# Altium PCB LKS_Motor_0313.PcbDoc (part 4 of 4) (continued)
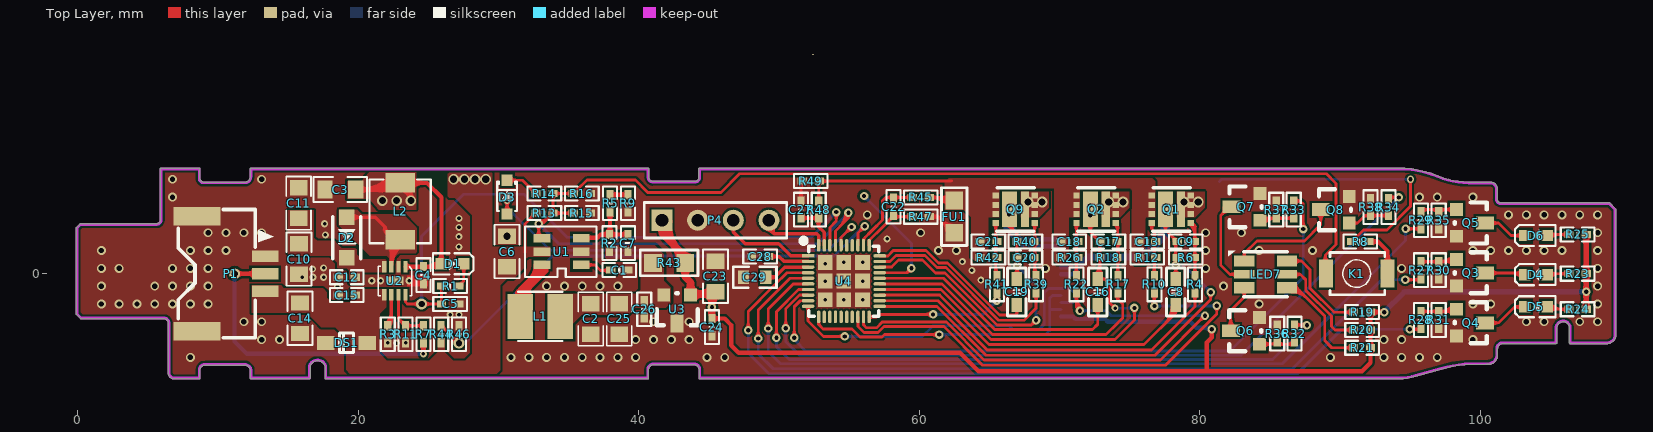
[diagram p0: Top Layer view]
## Nets (pads, with @x,y where several pads share a name; then routed paths per layer and width w, separated by ;. In a path a pad name is that pad's centre, name@x,y a point inside that pad or via, vN(x,y) a via of type N, cw(c..) or ccw(c..) an arc to the next point about the centre after c; other vN are vias at no path point) (continued)
  Bottom Layer w0.203: v2(56.058,5.537) 59.436,2.159 v2(59.436,0.381) ; 81.407,6.579 81.559,6.731 v11(95.021,6.731) ; v2@56.058,5.339 cw(c56.058,4.86) 56.396,5.199 ; v2@56.058,5.339 cw(c56.058,4.86) 56.396,5.199 ; v2@56.058,5.339 cw(c56.058,4.86) 56.396,5.199 ; v2@56.058,5.339 cw(c56.058,4.86) 56.396,5.199 ; v2@56.256,5.537 ccw(c56.735,5.537) 56.396,5.199 ; v2@56.256,5.537 ccw(c56.735,5.537) 56.396,5.199 ; v2@56.256,5.537 ccw(c56.735,5.537) 56.396,5.199 ; v2@56.256,5.537 ccw(c56.735,5.537) 56.396,5.199 ; v2@59.296,0.521 ccw(c58.957,0.86) 59.436,0.86 ; v2@59.296,0.521 ccw(c58.957,0.86) 59.436,0.86 ; v2@59.296,0.521 ccw(c58.957,0.86) 59.436,0.86 ; v2@59.296,0.521 ccw(c58.957,0.86) 59.436,0.86 ; 59.436,0.86 ccw(c59.915,0.86) v2@59.576,0.521 ; 59.436,0.86 ccw(c59.915,0.86) v2@59.576,0.521 ; 59.436,0.86 ccw(c59.915,0.86) v2@59.576,0.521 ; 59.436,0.86 ccw(c59.915,0.86) v2@59.576,0.521 ; 94.653,6.731 cw(c94.653,6.363) v11@94.914,6.623 ; 94.653,6.731 ccw(c94.653,7.099) v11@94.914,6.839 ; 94.653,6.731 cw(c94.653,6.363) v11@94.914,6.623 ; 94.653,6.731 ccw(c94.653,7.099) v11@94.914,6.839 ; 94.653,6.731 cw(c94.653,6.363) v11@94.914,6.623 ; 94.653,6.731 ccw(c94.653,7.099) v11@94.914,6.839
  other v4: 67.742,5.105 68.758,5.105 73.508,5.105 74.524,5.105 78.867,5.105 79.883,5.105
  other v9: 26.797,6.731 27.559,6.731 28.321,6.731 29.083,6.731
VIN: C3.2 C4.1 D1.1 L2.2 P2.2 U2.1 | length 74.8
  Top Layer w0.3: C3.2@19.523,5.969 22.305,5.969 22.809,6.473 L2.2@23.158,6.473 ; U2.1@23.356,0.492 25.706,0.492 D1.1@25.921,0.708 25.921,5.448 24.896,6.473 L2.2@23.158,6.473 ; v4(23.749,5.207) 23.708,5.248 23.708,5.923 L2.2@23.158,6.473 ; C3.2@20.083,5.969 ccw(c20.083,9.017) L2.2@22.238,6.862 ; C3.2@20.083,5.969 ccw(c20.083,9.017) L2.2@22.238,6.862 ; C3.2@20.083,5.969 ccw(c20.083,9.017) L2.2@22.238,6.862 ; C3.2@20.083,5.969 ccw(c20.083,9.017) L2.2@22.238,6.862 ; C3.2@20.085,5.712 cw(c20.707,5.09) 20.707,5.969 ; C3.2@20.085,5.712 cw(c20.707,5.09) 20.707,5.969 ; C3.2@20.085,5.712 cw(c20.707,5.09) 20.707,5.969 ; C3.2@20.085,5.712 cw(c20.707,5.09) 20.707,5.969 ; C3.2@20.085,6.277 ccw(c20.83,7.021) 20.83,5.969 ; C3.2@20.085,6.277 ccw(c20.83,7.021) 20.83,5.969 ; C3.2@20.085,6.277 ccw(c20.83,7.021) 20.83,5.969 ; C3.2@20.085,6.277 ccw(c20.83,7.021) 20.83,5.969 ; 20.807,5.969 ccw(c20.807,8.293) L2.2@22.45,6.65 ; 20.807,5.969 ccw(c20.807,8.293) L2.2@22.45,6.65 ; 20.807,5.969 ccw(c20.807,8.293) L2.2@22.45,6.65 ; 20.807,5.969 ccw(c20.807,8.293) L2.2@22.45,6.65 ; 21.531,5.969 ccw(c21.531,7.569) L2.2@22.662,6.438 ; 21.531,5.969 ccw(c21.531,7.569) L2.2@22.662,6.438 ; 21.531,5.969 ccw(c21.531,7.569) L2.2@22.662,6.438 ; 21.531,5.969 ccw(c21.531,7.569) L2.2@22.662,6.438 ; L2.2@23.168,5.953 cw(c22.908,5.196) v4@23.708,5.196 ; L2.2@23.168,5.953 cw(c22.908,5.196) v4@23.708,5.196 ; L2.2@23.168,5.953 cw(c22.908,5.196) v4@23.708,5.196 ; L2.2@23.168,5.953 cw(c22.908,5.196) v4@23.708,5.196 ; L2.2@23.266,6.237 cw(c23.052,5.617) 23.708,5.617 ; L2.2@23.266,6.237 cw(c23.052,5.617) 23.708,5.617 ; L2.2@23.266,6.237 cw(c23.052,5.617) 23.708,5.617 ; L2.2@23.266,6.237 cw(c23.052,5.617) 23.708,5.617 ; v4@23.586,5.37 ccw(c23.291,5.665) 23.708,5.665 ; v4@23.586,5.37 ccw(c23.291,5.665) 23.708,5.665 ; v4@23.586,5.37 ccw(c23.291,5.665) 23.708,5.665 ; v4@23.586,5.37 ccw(c23.291,5.665) 23.708,5.665 ; L2.2@23.708,5.864 ccw(c24.406,5.864) v4@23.912,5.37 ; L2.2@23.708,5.864 ccw(c24.406,5.864) v4@23.912,5.37 ; L2.2@23.708,5.864 ccw(c24.406,5.864) v4@23.912,5.37 ; L2.2@23.708,5.864 ccw(c24.406,5.864) v4@23.912,5.37 ; L2.2@23.736,6.084 cw(c24.675,5.145) 24.675,6.473 ; L2.2@23.736,6.084 cw(c24.675,5.145) 24.675,6.473 ; L2.2@23.736,6.084 cw(c24.675,5.145) 24.675,6.473 ; L2.2@23.736,6.084 cw(c24.675,5.145) 24.675,6.473 ; L2.2@23.736,6.862 ccw(c24.675,7.801) 24.675,6.473 ; L2.2@23.736,6.862 ccw(c24.675,7.801) 24.675,6.473 ; L2.2@23.736,6.862 ccw(c24.675,7.801) 24.675,6.473 ; L2.2@23.736,6.862 ccw(c24.675,7.801) 24.675,6.473 ; 24.348,0.492 ccw(c24.348,0.798) C4.1@24.564,0.582 ; 24.348,0.492 ccw(c24.348,0.798) C4.1@24.564,0.582 ; 24.348,0.492 ccw(c24.348,0.798) C4.1@24.564,0.582 ; 24.348,0.492 ccw(c24.348,0.798) C4.1@24.564,0.582 ; C4.1@24.712,0.582 ccw(c24.928,0.798) 24.928,0.492 ; C4.1@24.712,0.582 ccw(c24.928,0.798) 24.928,0.492 ; C4.1@24.712,0.582 ccw(c24.928,0.798) 24.928,0.492 ; C4.1@24.712,0.582 ccw(c24.928,0.798) 24.928,0.492 ; C4.1@24.797,0.492 ccw(c24.797,1.832) D1.1@25.745,0.885 ; C4.1@24.797,0.492 ccw(c24.797,1.832) D1.1@25.745,0.885 ; C4.1@24.797,0.492 ccw(c24.797,1.832) D1.1@25.745,0.885 ; C4.1@24.797,0.492 ccw(c24.797,1.832) D1.1@25.745,0.885 ; 25.521,0.492 ccw(c25.521,1.108) D1.1@25.957,0.672 ; 25.521,0.492 ccw(c25.521,1.108) D1.1@25.957,0.672 ; 25.521,0.492 ccw(c25.521,1.108) D1.1@25.957,0.672 ; 25.521,0.492 ccw(c25.521,1.108) D1.1@25.957,0.672 ; D1.1@25.745,0.885 ccw(c25.318,1.311) 25.921,1.311 ; D1.1@25.745,0.885 ccw(c25.318,1.311) 25.921,1.311 ; D1.1@25.745,0.885 ccw(c25.318,1.311) 25.921,1.311 ; D1.1@25.745,0.885 ccw(c25.318,1.311) 25.921,1.311 ; 25.921,1.311 ccw(c26.525,1.311) D1.1@26.098,0.885 ; 25.921,1.311 ccw(c26.525,1.311) D1.1@26.098,0.885 ; 25.921,1.311 ccw(c26.525,1.311) D1.1@26.098,0.885 ; 25.921,1.311 ccw(c26.525,1.311) D1.1@26.098,0.885
  other v4: 21.717,5.207 22.733,5.207
VS3: C8.1 C9.1 P3.5 P3.6 Q1.10 R6.2 U4.21 | length 156.8
  Top Layer w0.2: U4.21@57.17,-2.33 61.258,-2.33 64.745,-5.817 76.81,-5.817 80.772,-1.854 v2(80.772,-1.321) ; C8.1@78.28,-0.375 78.28,2.391 77.55,3.12 ; Q1.10@77.345,3.464 cw(c77.16,3.12) 77.55,3.12 ; Q1.10@77.345,3.464 cw(c77.16,3.12) 77.55,3.12 ; Q1.10@77.345,3.464 cw(c77.16,3.12) 77.55,3.12 ; Q1.10@77.345,3.464 cw(c77.16,3.12) 77.55,3.12 ; Q1.10@77.405,4.177 cw(c77.053,3.825) Q1.10@77.55,3.825 ; Q1.10@77.405,4.177 cw(c77.053,3.825) Q1.10@77.55,3.825 ; Q1.10@77.405,4.177 cw(c77.053,3.825) Q1.10@77.55,3.825 ; Q1.10@77.405,4.177 cw(c77.053,3.825) Q1.10@77.55,3.825 ; Q1.10@77.43,4.71 cw(c77.14,4.42) Q1.10@77.55,4.42 ; Q1.10@77.43,4.71 cw(c77.14,4.42) Q1.10@77.55,4.42 ; Q1.10@77.43,4.71 cw(c77.14,4.42) Q1.10@77.55,4.42 ; Q1.10@77.43,4.71 cw(c77.14,4.42) Q1.10@77.55,4.42 ; Q1.10@77.442,4.489 ccw(c77.324,4.682) Q1.10@77.55,4.682 ; Q1.10@77.442,4.489 ccw(c77.324,4.682) Q1.10@77.55,4.682 ; Q1.10@77.442,4.489 ccw(c77.324,4.682) Q1.10@77.55,4.682 ; Q1.10@77.442,4.489 ccw(c77.324,4.682) Q1.10@77.55,4.682 ; 77.55,3.12 cw(c77.941,3.12) Q1.10@77.756,3.464 ; 77.55,3.12 cw(c77.941,3.12) Q1.10@77.756,3.464 ; 77.55,3.12 cw(c77.941,3.12) Q1.10@77.756,3.464 ; 77.55,3.12 cw(c77.941,3.12) Q1.10@77.756,3.464 ; 77.55,3.12 Q1.10@77.55,4.682 ; Q1.10@77.55,3.845 cw(c78.019,3.845) Q1.10@77.688,4.177 ; Q1.10@77.55,3.845 cw(c78.019,3.845) Q1.10@77.688,4.177 ; Q1.10@77.55,3.845 cw(c78.019,3.845) Q1.10@77.688,4.177 ; Q1.10@77.55,3.845 cw(c78.019,3.845) Q1.10@77.688,4.177 ; Q1.10@77.55,4.317 cw(c78.106,4.317) Q1.10@77.713,4.71 ; Q1.10@77.55,4.317 cw(c78.106,4.317) Q1.10@77.713,4.71 ; Q1.10@77.55,4.317 cw(c78.106,4.317) Q1.10@77.713,4.71 ; Q1.10@77.55,4.317 cw(c78.106,4.317) Q1.10@77.713,4.71 ; Q1.10@77.55,4.682 ccw(c77.787,4.682) Q1.10@77.656,4.485 ; Q1.10@77.55,4.682 ccw(c77.787,4.682) Q1.10@77.656,4.485 ; Q1.10@77.55,4.682 ccw(c77.787,4.682) Q1.10@77.656,4.485 ; Q1.10@77.55,4.682 ccw(c77.787,4.682) Q1.10@77.656,4.485 ; 77.991,2.679 cw(c77.598,2.286) C9.1@78.154,2.286 ; 77.991,2.679 cw(c77.598,2.286) C9.1@78.154,2.286 ; 77.991,2.679 cw(c77.598,2.286) C9.1@78.154,2.286 ; 77.991,2.679 cw(c77.598,2.286) C9.1@78.154,2.286 ; C8.1@78.081,-0.049 ccw(c77.601,0.431) v2@78.28,0.431 ; C8.1@78.081,-0.049 ccw(c77.601,0.431) v2@78.28,0.431 ; C8.1@78.081,-0.049 ccw(c77.601,0.431) v2@78.28,0.431 ; C8.1@78.081,-0.049 ccw(c77.601,0.431) v2@78.28,0.431 ; v2@78.141,0.468 cw(c77.808,0.134) 78.28,0.134 ; v2@78.141,0.468 cw(c77.808,0.134) 78.28,0.134 ; v2@78.141,0.468 cw(c77.808,0.134) 78.28,0.134 ; v2@78.141,0.468 cw(c77.808,0.134) 78.28,0.134 ; v2@78.141,0.751 ccw(c77.808,1.085) R6.2@78.28,1.085 ; v2@78.141,0.751 ccw(c77.808,1.085) R6.2@78.28,1.085 ; v2@78.141,0.751 ccw(c77.808,1.085) R6.2@78.28,1.085 ; v2@78.141,0.751 ccw(c77.808,1.085) R6.2@78.28,1.085 ; R6.2@78.199,1.034 cw(c78.005,0.84) v2@78.28,0.84 ; R6.2@78.199,1.034 cw(c78.005,0.84) v2@78.28,0.84 ; R6.2@78.199,1.034 cw(c78.005,0.84) v2@78.28,0.84 ; R6.2@78.199,1.034 cw(c78.005,0.84) v2@78.28,0.84 ; R6.2@78.199,1.252 ccw(c78.005,1.446) 78.28,1.446 ; R6.2@78.199,1.252 ccw(c78.005,1.446) 78.28,1.446 ; R6.2@78.199,1.252 ccw(c78.005,1.446) 78.28,1.446 ; R6.2@78.199,1.252 ccw(c78.005,1.446) 78.28,1.446 ; C9.1@78.199,2.177 cw(c78.005,1.983) 78.28,1.983 ; C9.1@78.199,2.177 cw(c78.005,1.983) 78.28,1.983 ; C9.1@78.199,2.177 cw(c78.005,1.983) 78.28,1.983 ; C9.1@78.199,2.177 cw(c78.005,1.983) 78.28,1.983 ; C8.1@78.28,0.119 cw(c78.773,0.119) v2@78.424,0.468 ; C8.1@78.28,0.119 cw(c78.773,0.119) v2@78.424,0.468 ; C8.1@78.28,0.119 cw(c78.773,0.119) v2@78.424,0.468 ; C8.1@78.28,0.119 cw(c78.773,0.119) v2@78.424,0.468 ; v2@78.28,0.431 ccw(c78.958,0.431) C8.1@78.478,-0.049 ; v2@78.28,0.431 ccw(c78.958,0.431) C8.1@78.478,-0.049 ; v2@78.28,0.431 ccw(c78.958,0.431) C8.1@78.478,-0.049 ; v2@78.28,0.431 ccw(c78.958,0.431) C8.1@78.478,-0.049 ; v2@78.28,0.702 cw(c78.749,0.702) R6.2@78.417,1.034 ; v2@78.28,0.702 cw(c78.749,0.702) R6.2@78.417,1.034 ; v2@78.28,0.702 cw(c78.749,0.702) R6.2@78.417,1.034 ; v2@78.28,0.702 cw(c78.749,0.702) R6.2@78.417,1.034 ; R6.2@78.28,1.1 ccw(c78.773,1.1) v2@78.424,0.751 ; R6.2@78.28,1.1 ccw(c78.773,1.1) v2@78.424,0.751 ; R6.2@78.28,1.1 ccw(c78.773,1.1) v2@78.424,0.751 ; R6.2@78.28,1.1 ccw(c78.773,1.1) v2@78.424,0.751 ; 78.28,1.584 ccw(c78.749,1.584) R6.2@78.417,1.252 ; 78.28,1.584 ccw(c78.749,1.584) R6.2@78.417,1.252 ; 78.28,1.584 ccw(c78.749,1.584) R6.2@78.417,1.252 ; 78.28,1.584 ccw(c78.749,1.584) R6.2@78.417,1.252 ; 78.28,1.845 cw(c78.749,1.845) C9.1@78.417,2.177 ; 78.28,1.845 cw(c78.749,1.845) C9.1@78.417,2.177 ; 78.28,1.845 cw(c78.749,1.845) C9.1@78.417,2.177 ; 78.28,1.845 cw(c78.749,1.845) C9.1@78.417,2.177 ; v2@80.631,-1.462 cw(c80.289,-1.804) 80.772,-1.804 ; v2@80.631,-1.462 cw(c80.289,-1.804) 80.772,-1.804 ; v2@80.631,-1.462 cw(c80.289,-1.804) 80.772,-1.804 ; v2@80.631,-1.462 cw(c80.289,-1.804) 80.772,-1.804 ; 80.772,-1.804 cw(c81.255,-1.804) v2@80.913,-1.462 ; 80.772,-1.804 cw(c81.255,-1.804) v2@80.913,-1.462 ; 80.772,-1.804 cw(c81.255,-1.804) v2@80.913,-1.462 ; 80.772,-1.804 cw(c81.255,-1.804) v2@80.913,-1.462
  Bottom Layer w0.2: 70.894,-0.048 72.034,1.092 76.048,1.092 77.572,2.616 v6(77.572,4.851) ; 71.191,0.452 72.034,1.295 76.022,1.295 77.343,2.616 ; v2@78.334,0.61 78.842,0.61 v2(80.772,-1.321) v2@80.772,-1.422 ; v6@77.405,4.177 cw(c77.002,3.774) 77.572,3.774 ; v6@77.405,4.177 cw(c77.002,3.774) 77.572,3.774 ; v6@77.405,4.177 cw(c77.002,3.774) 77.572,3.774 ; v6@77.405,4.177 cw(c77.002,3.774) 77.572,3.774 ; v6@77.407,4.461 ccw(c77.028,4.851) v6(77.572,4.851) ; v6@77.407,4.461 ccw(c77.028,4.851) v6(77.572,4.851) ; v6@77.407,4.461 ccw(c77.028,4.851) v6(77.572,4.851) ; v6@77.407,4.461 ccw(c77.028,4.851) v6(77.572,4.851) ; v6@77.43,4.71 cw(c77.089,4.369) v6@77.572,4.369 ; v6@77.43,4.71 cw(c77.089,4.369) v6@77.572,4.369 ; v6@77.43,4.71 cw(c77.089,4.369) v6@77.572,4.369 ; v6@77.43,4.71 cw(c77.089,4.369) v6@77.572,4.369 ; 77.572,3.896 cw(c77.968,3.896) v6@77.688,4.177 ; 77.572,3.896 cw(c77.968,3.896) v6@77.688,4.177 ; 77.572,3.896 cw(c77.968,3.896) v6@77.688,4.177 ; 77.572,3.896 cw(c77.968,3.896) v6@77.688,4.177 ; v6@77.572,4.369 cw(c78.054,4.369) v6@77.713,4.71 ; v6@77.572,4.369 cw(c78.054,4.369) v6@77.713,4.71 ; v6@77.572,4.369 cw(c78.054,4.369) v6@77.713,4.71 ; v6@77.572,4.369 cw(c78.054,4.369) v6@77.713,4.71 ; v6@77.572,4.74 ccw(c77.968,4.74) v6@77.688,4.459 ; v6@77.572,4.74 ccw(c77.968,4.74) v6@77.688,4.459 ; v6@77.572,4.74 ccw(c77.968,4.74) v6@77.688,4.459 ; v6@77.572,4.74 ccw(c77.968,4.74) v6@77.688,4.459 ; v2@78.424,0.468 cw(c78.766,0.127) 78.766,0.61 ; v2@78.424,0.468 cw(c78.766,0.127) 78.766,0.61 ; v2@78.424,0.468 cw(c78.766,0.127) 78.766,0.61 ; v2@78.424,0.468 cw(c78.766,0.127) 78.766,0.61 ; v2@78.424,0.751 ccw(c78.766,1.092) 78.766,0.61 ; v2@78.424,0.751 ccw(c78.766,1.092) 78.766,0.61 ; v2@78.424,0.751 ccw(c78.766,1.092) 78.766,0.61 ; v2@78.424,0.751 ccw(c78.766,1.092) 78.766,0.61 ; 80.431,-0.979 cw(c80.089,-1.321) v2@80.572,-1.321 ; 80.431,-0.979 ccw(c80.772,-0.638) v2@80.772,-1.121 ; 80.431,-0.979 cw(c80.089,-1.321) v2@80.572,-1.321 ; 80.431,-0.979 ccw(c80.772,-0.638) v2@80.772,-1.121 ; 80.431,-0.979 cw(c80.089,-1.321) v2@80.572,-1.321 ; 80.431,-0.979 ccw(c80.772,-0.638) v2@80.772,-1.121 ; 80.431,-0.979 cw(c80.089,-1.321) v2@80.572,-1.321 ; 80.431,-0.979 ccw(c80.772,-0.638) v2@80.772,-1.121
  Bottom Layer w0.3: P3.6@70.104,-0.048 70.587,-0.048 ; P3.5@70.104,0.452 70.891,0.452 ; 71.763,1.024 71.831,1.092 ; 71.794,1.055 71.831,1.092 ; 72.034,1.092 70.894,-0.048 ; 75.209,1.295 75.794,1.295 77.343,2.845 77.343,3.099 ; 70.587,-0.048 70.894,-0.048 ; 70.587,-0.048 70.894,-0.048 ; 70.891,0.452 71.191,0.452 ; 70.891,0.452 71.191,0.452 ; 71.191,0.452 72.034,1.295 76.022,1.295 77.343,2.616 77.343,3.099 ; 71.831,1.092 76.048,1.092 77.724,2.769 77.724,3.683 ; 77.343,3.099 77.343,5.131 ; 77.343,3.465 cw(c78.399,3.465) v6@77.652,4.212 ; 77.343,3.465 cw(c78.399,3.465) v6@77.652,4.212 ; 77.343,3.465 cw(c78.399,3.465) v6@77.652,4.212 ; 77.343,3.465 cw(c78.399,3.465) v6@77.652,4.212 ; 77.343,3.937 cw(c78.486,3.937) v6@77.678,4.745 ; 77.343,3.937 cw(c78.486,3.937) v6@77.678,4.745 ; 77.343,3.937 cw(c78.486,3.937) v6@77.678,4.745 ; 77.343,3.937 cw(c78.486,3.937) v6@77.678,4.745 ; 77.343,5.131 ccw(c78.305,5.131) v6@77.649,4.428 ; 77.343,5.131 ccw(c78.305,5.131) v6@77.649,4.428 ; 77.343,5.131 ccw(c78.305,5.131) v6@77.649,4.428 ; 77.343,5.131 ccw(c78.305,5.131) v6@77.649,4.428 ; 77.343,5.131 77.699,5.131 77.724,5.12 77.724,3.454 77.724,3.683 ; v6@77.44,4.212 cw(c76.755,3.527) 77.724,3.527 ; v6@77.44,4.212 cw(c76.755,3.527) 77.724,3.527 ; v6@77.44,4.212 cw(c76.755,3.527) 77.724,3.527 ; v6@77.44,4.212 cw(c76.755,3.527) 77.724,3.527 ; v6@77.441,4.424 ccw(c76.765,5.105) v6@77.724,5.105 ; v6@77.44,4.424 ccw(c76.755,5.109) v6@77.724,5.109 ; v6@77.441,4.424 ccw(c76.765,5.105) v6@77.724,5.105 ; v6@77.44,4.424 ccw(c76.755,5.109) v6@77.724,5.109 ; v6@77.441,4.424 ccw(c76.765,5.105) v6@77.724,5.105 ; v6@77.44,4.424 ccw(c76.755,5.109) v6@77.724,5.109 ; v6@77.441,4.424 ccw(c76.765,5.105) v6@77.724,5.105 ; v6@77.44,4.424 ccw(c76.755,5.109) v6@77.724,5.109 ; v6@77.456,4.198 cw(c77.047,3.659) 77.724,3.659 ; v6@77.456,4.198 cw(c77.047,3.659) 77.724,3.659 ; v6@77.456,4.198 cw(c77.047,3.659) 77.724,3.659 ; v6@77.456,4.198 cw(c77.047,3.659) 77.724,3.659 ; v6@77.466,4.745 cw(c76.842,4.121) v6@77.724,4.121 ; v6@77.466,4.745 cw(c76.842,4.121) v6@77.724,4.121 ; v6@77.466,4.745 cw(c76.842,4.121) v6@77.724,4.121 ; v6@77.466,4.745 cw(c76.842,4.121) v6@77.724,4.121 ; v6@77.466,4.745 cw(c76.842,4.121) v6@77.724,4.121 ; v6@77.466,4.745 cw(c76.842,4.121) v6@77.724,4.121 ; v6@77.466,4.745 cw(c76.842,4.121) v6@77.724,4.121 ; v6@77.466,4.745 cw(c76.842,4.121) v6@77.724,4.121 ; 77.724,3.683 v6@77.724,5.105
  other v2: 78.283,0.61
  other v6: 77.546,4.318
pads on no net: P3.0 U4.12 U4.13 U4.14 U4.15 U4.16 U4.17 U4.34 U4.35

## Polygon pours and split planes (outlines as drawn)
GND on Top Layer "Top Layer-No Net" (solid, remove dead copper, pour order 0): -3.8,15.083 -3.8,-7.548 -3.419,-7.929 0.087,-11.434 9.459,-11.434 108.291,-11.434 119.467,-0.258 120.914,1.189 120.914,13.889
NetC10_2 on Top Layer "Top Layer-No Net" (solid, remove dead copper, pour order 1): 14.961,4.521 14.961,1.473 15.088,1.346 15.138,1.295 16.053,1.295 17.983,1.295 18.034,1.245 18.491,0.787 18.491,0.61 18.491,0.406 18.517,0.381 19.126,0.381 19.177,0.381 19.329,0.229 19.355,0.203 19.355,-0.254 19.355,-0.686 19.38,-0.711 19.939,-0.711 20.218,-0.711 20.269,-0.66 20.269,0.102 21.946,0.102 21.996,0.152 21.996,0.203 21.996,0.94 21.92,1.016 21.844,1.016 20.244,1.016 20.168,1.092 19.888,1.372 19.888,1.397 19.888,1.727 19.863,1.753 19.787,1.829 19.66,1.829 18.821,1.829 18.466,2.184 18.313,2.337 17.399,2.337 17.069,2.337 16.84,2.565 16.84,4.521
VBAT_8V4 on Top Layer "Top Layer-No Net" (solid, remove dead copper, pour order 2): 12.399,-0.842 12.412,-0.842 12.416,-0.838 14.453,-0.838 14.503,-0.838 14.656,-0.991 14.707,-1.041 14.834,-1.041 17.475,-1.041 17.526,-1.092 17.755,-1.321 17.755,-1.346 17.755,-1.727 18.059,-2.032 18.145,-2.032 19.406,-2.032 19.456,-1.981 19.46,-1.978 19.46,-1.096 21.986,-1.096 22.003,-1.112 22.003,-1.981 22.003,-2.381 21.514,-2.87 21.514,-5.69 22.022,-6.198 25.044,-6.198 25.654,-5.588 25.654,-4.597 26.162,-4.597 26.162,-5.588 26.772,-6.198 27.635,-6.198 28.118,-5.715 28.118,4.166 26.873,5.41 26.492,5.41 26.391,5.512 26.391,7.112 26.492,7.213 26.492,7.214 28.88,7.214 29.512,7.214 29.566,7.16 29.566,6.629 29.566,1.905 33.702,1.905 33.702,1.219 32.106,1.219 31.877,0.991 31.863,0.976 31.863,0.417 31.842,0.417 31.069,-0.356 30.582,-0.356 30.124,-0.813 30.123,-0.815 30.123,-6.872 30.123,-6.885 29.87,-7.138 29.87,-7.137 29.642,-7.137 19.406,-7.137 19.406,-7.138 19.13,-6.862 19.13,-6.856 19.126,-6.853 19.126,-6.838 19.126,-4.572 18.364,-3.81 17.348,-3.81 16.967,-3.429 16.332,-2.794 16.18,-2.794 12.395,-2.794
NetD2_1 on Top Layer "Top Layer-No Net" (solid, remove dead copper, pour order 3): 18.618,4.572 18.618,3.454 20.803,1.27 22.022,1.27 22.2,1.092 22.2,0.889 22.276,0.813 22.454,0.813 22.53,0.889 22.53,1.092 22.708,1.27 22.911,1.473 23.622,1.473 24.079,1.473 24.181,1.575 24.181,1.676 24.181,3.251 24.13,3.302 23.19,4.242 22.758,4.242 20.244,4.242 19.914,4.572
VIN on Top Layer "W" (solid, pour order 5): 19.202,6.604 20.21,6.604 20.77,7.239 24.13,7.239 24.13,4.572 21.442,4.572 20.77,5.334 19.202,5.334
GND on Top Layer "W" (solid, pour order 8): 22.708,0.686 22.708,-0.127 20.574,-0.127 20.549,-0.152 20.549,-0.889 20.574,-0.914 23.927,-0.914 24.054,-0.787 24.054,-0.305 23.876,-0.127 23.012,-0.127 23.012,0.864 22.987,0.889
VBAT_8V4 on Top Layer "W" (solid, pour order 11): 25.654,-4.597 26.162,-4.597 26.162,-5.588 26.772,-6.198 25.044,-6.198 25.654,-5.588
DCDC_5V on Top Layer "W" (solid, pour order 14): 33.503,-4.648 33.503,-1.448 39.827,-1.448 40.132,-1.143 40.132,0.889 40.005,1.016 37.719,1.016 37.592,1.143 37.592,1.905 37.719,2.032 41.148,2.032 41.783,1.397 41.783,-0.508 42.291,-1.016 42.291,-2.032 41.91,-2.413 39.751,-2.413 39.243,-2.921 35.941,-2.921 35.306,-3.556 35.306,-4.648
VBAT_8V4 on Top Layer "W" (solid, pour order 12): 28.118,7.214 26.492,7.214 26.391,7.112 26.391,5.512 26.492,5.41 26.873,5.41 28.118,4.166
VBAT_8V4 on Top Layer "W" (solid, pour order 21): 78.359,5.842 80.34,5.842 80.34,4.699 79.68,4.039 78.359,4.039
VBAT_8V4 on Top Layer "W" (solid, pour order 20): 73,5.842 74.981,5.842 74.981,4.699 74.32,4.039 73,4.039
VBAT_8V4 on Top Layer "W" (solid, pour order 17): 67.234,5.842 69.215,5.842 69.215,4.699 68.555,4.039 67.234,4.039
PGND on Top Layer "W" (solid, pour order 23): 76.81,4.013 76.81,6.604 76.581,6.833 62.103,6.833 61.798,6.528 61.798,4.572 63.17,4.572 63.703,4.039 65.684,4.039 65.684,6.045 75.057,6.045 75.159,5.944 75.159,2.134 75.26,2.032 75.971,2.032 75.971,3.785 76.2,4.013
PGND on Top Layer "W" (solid, pour order 24): 69.621,6.045 69.621,4.877 70.46,4.039 71.476,4.039 71.476,6.034 71.452,6.057
PGND on Top Layer "W" (solid, pour order 36): 63.703,4.039 63.703,1.168 63.983,0.889 64.643,0.889 64.872,1.118 64.922,1.118 64.922,4.115 64.745,4.293
PGND on Top Layer "W" (solid, pour order 37): 69.621,4.877 69.621,0.889 69.85,0.66 70.46,0.66 70.637,0.838 70.637,4.242
PGND on Top Layer "W" (solid, pour order 38): 75.159,2.134 75.159,0.864 75.387,0.635 76.073,0.635 76.124,0.686 76.124,4.216 75.921,4.42
GND on Bottom Layer "Top Layer-No Net" (solid, remove dead copper, pour order 39): -2.692,11.049 -2.692,-10.439 -2.794,-10.541 0.737,-14.072 16.18,-14.072 101.727,-14.072 115.849,0.051 114.097,1.803 114.097,12.294
VIN on Bottom Layer "W" (solid, pour order 4): 4.547,0.076 4.547,1.143 9.576,6.172 24.943,6.172 24.943,4.611 9.869,4.611 5.334,0.076
VBAT_8V4 on Bottom Layer "W" (solid, pour order 13): 26.416,5.969 26.162,6.223 26.162,7.112 26.416,7.366 39.497,7.366 40.64,6.223 44.704,6.223 45.72,7.239 81.661,7.239 81.915,6.985 81.915,5.969 81.661,5.715 57.15,5.715 56.388,4.953 55.372,4.953 54.61,5.715 46.609,5.715 45.847,4.953 39.37,4.953 38.354,5.969
U on Bottom Layer "W" (solid, pour order 25): 67.488,2.464 70.51,2.464 70.51,1.93 70.489,1.952 67.365,1.952
VS3 on Bottom Layer "W" (solid, pour order 27): 69.723,0.584 69.855,0.452 71.191,0.452 71.191,0.249 70.866,-0.076 69.698,-0.076 69.698,0.559
V on Bottom Layer "W" (solid, pour order 31): 69.698,0.787 70.891,0.787 71.933,1.829 71.933,3.683 72.06,3.81 72.542,3.81 72.822,4.089 72.822,5.055 72.517,5.359 71.628,5.359 71.323,5.055 71.323,2.159 70.79,1.626 69.698,1.626
VBAT_8V4 on Bottom Layer "W" (solid, pour order 32): 72.695,5.766 72.949,5.512 72.949,4.902 73.381,4.47 74.701,4.47 75.108,4.877 75.108,5.817 75.26,5.969 75.133,6.096 73.025,6.096
VBAT_8V4 on Bottom Layer "W" (solid, pour order 33): 78.08,5.74 78.08,5.029 78.689,4.42 80.289,4.42 80.721,4.851 80.721,6.02 80.772,6.071 80.721,6.121 78.486,6.121
VBAT_8V4 on Bottom Layer "W" (solid, pour order 35): 66.472,6.121 67.183,5.41 67.183,4.674 67.513,4.343 69.113,4.343 69.113,4.369 69.494,4.75 69.494,6.096 69.342,6.248
no net on Keep-Out Layer "W" (none): 6.508,-7.08 ccw(c6.876,-7.08) 6.876,-7.449 8.656,-7.449 8.656,-6.859 cw(c9.038,-6.859) 9.038,-6.478 11.921,-6.478 cw(c11.921,-6.907) 12.35,-6.907 12.35,-7.449 16.509,-7.449 16.509,-6.573 cw(c17.094,-6.768) 17.678,-6.573 17.678,-7.449 40.636,-7.449 40.636,-6.84 cw(c41.031,-6.841) 41.031,-6.446 43.965,-6.446 cw(c43.965,-6.824) 44.343,-6.824 44.343,-7.45 94.185,-7.45 94.211,-7.45 ccw(c94.166,-3.379) 95.385,-7.263 97.206,-6.766 cw(c99.661,-15.007) 98.883,-6.443 98.858,-6.443 100.461,-6.417 ccw(c100.542,-5.786) 101.17,-5.888 101.17,-5.342 cw(c101.583,-5.342) 101.583,-4.93 105.404,-4.93 105.404,-3.776 cw(c105.904,-3.886) 106.404,-3.776 106.404,-4.935 109.065,-4.935 ccw(c109.007,-4.316) 109.604,-4.489 109.604,4.575 109.184,4.995 101.458,4.995 cw(c101.458,5.309) 101.144,5.309 101.144,6.057 ccw(c100.733,6.057) 100.733,6.468 99.143,6.468 cw(c99.333,13.227) 97.344,6.765 ccw(c93.778,-1.357) 94.614,7.474 44.322,7.474 44.322,6.816 cw(c44.038,6.816) 44.038,6.532 41.015,6.532 cw(c41.015,6.898) 40.65,6.898 40.65,7.471 12.339,7.471 12.339,6.886 cw(c11.933,6.886) 11.933,6.479 8.958,6.479 cw(c8.958,6.781) 8.656,6.781 8.656,7.474 5.942,7.474 5.942,3.823 cw(c5.635,3.823) 5.635,3.516 0.199,3.516 -0.062,3.255 -0.062,-2.863 0.237,-3.162 6.146,-3.162 cw(c6.146,-3.524) 6.508,-3.524

## Other copper
Top Layer:
  rectangle net GND: 23.47,-0.914 24.968,-0.127

## Silkscreen, mask and mechanical layers (free items; w line width, h text height)
Top Overlay:
  lines w0.05: 52.401,15.627 52.431,15.647
Bottom Overlay:
  drawing of 23 lines, arcs and shapes, not listed
  text "20240317" at 102.362,0.279 h1
  text "LKS_074DO_V1.0" at 105.664,-1.651 h1
Mechanical 15:
  lines w0.1: 104.597,-7.798 105.232,-7.163 105.232,6.756
  lines w0.127: -2.337,0 229.87,0 ; 31.75,5.588 139.573,5.588 ; 71.45,-14.935 71.45,14.021 ; 91.186,-9.906 91.186,7.874